# Altium PCB 底板20160428.PcbDoc (part 1 of 2)
Units mm, origin at the board's own origin, x right, y up, seen from the top; angles counter-clockwise.
Board outline 123.5 x 102.51 mm, 2 copper layers (Top Layer, Bottom Layer); 238 components, 211 nets, 736 pads, 282 vias.
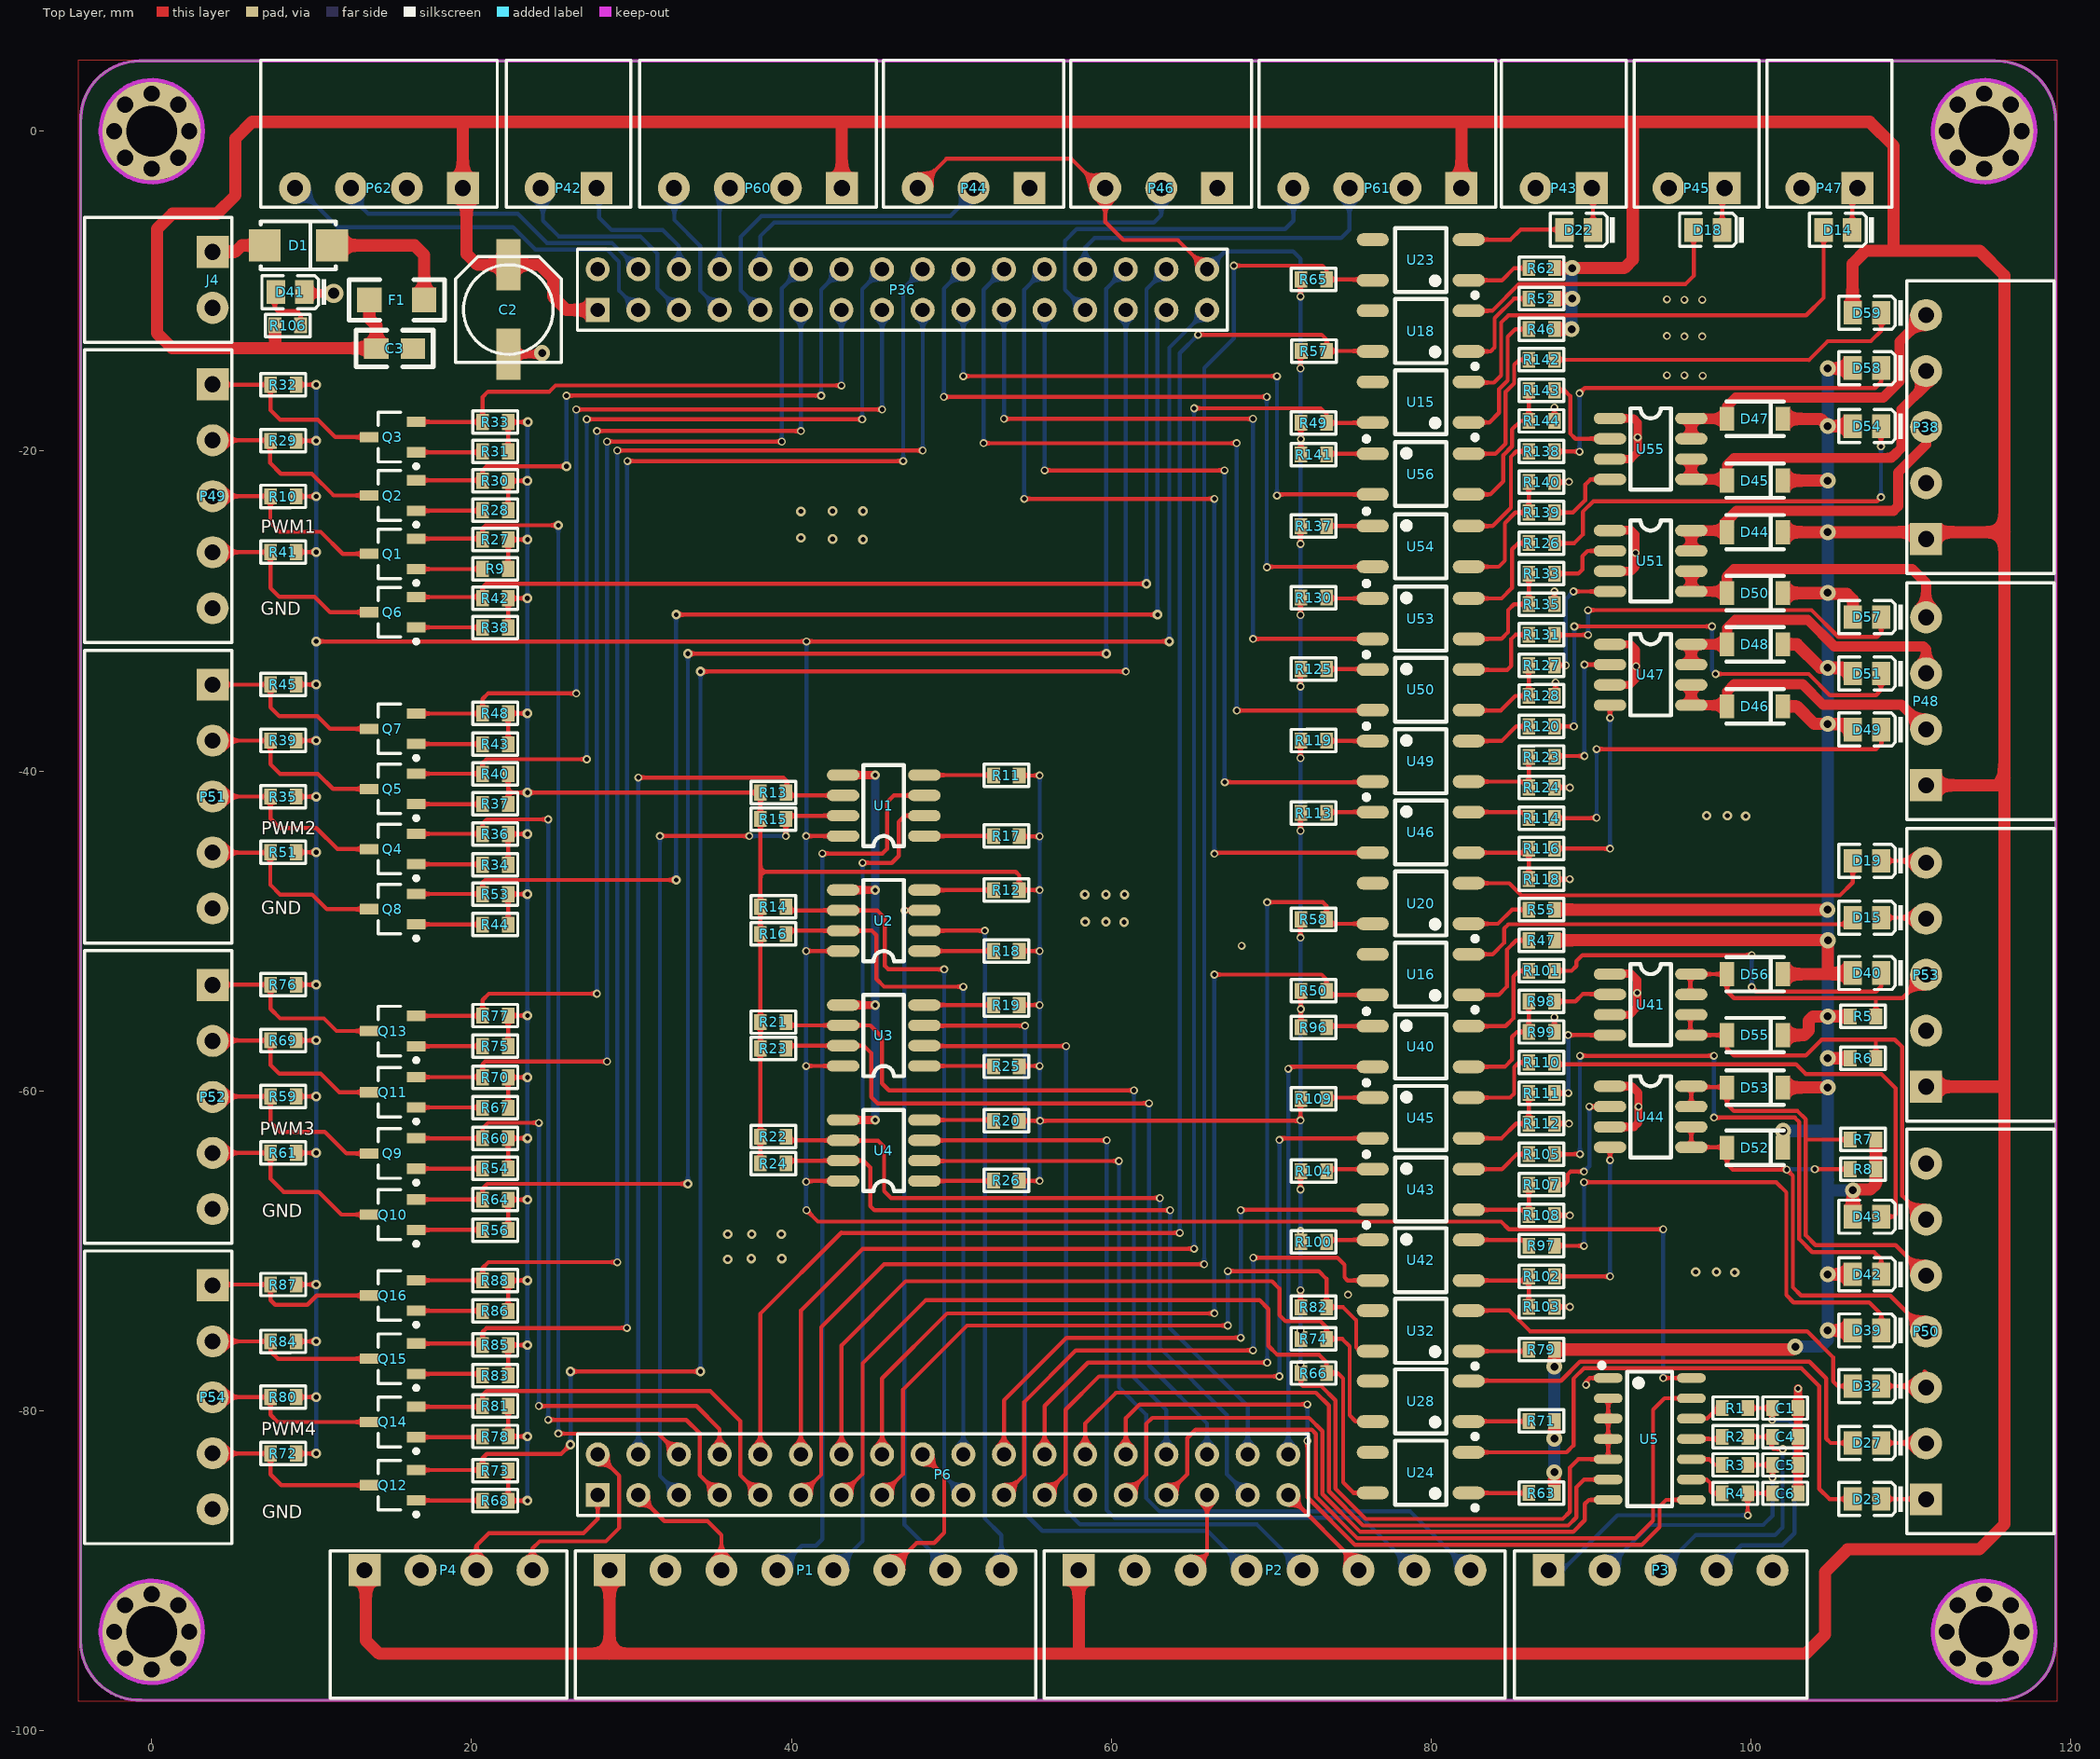
[diagram p0: Top Layer view]
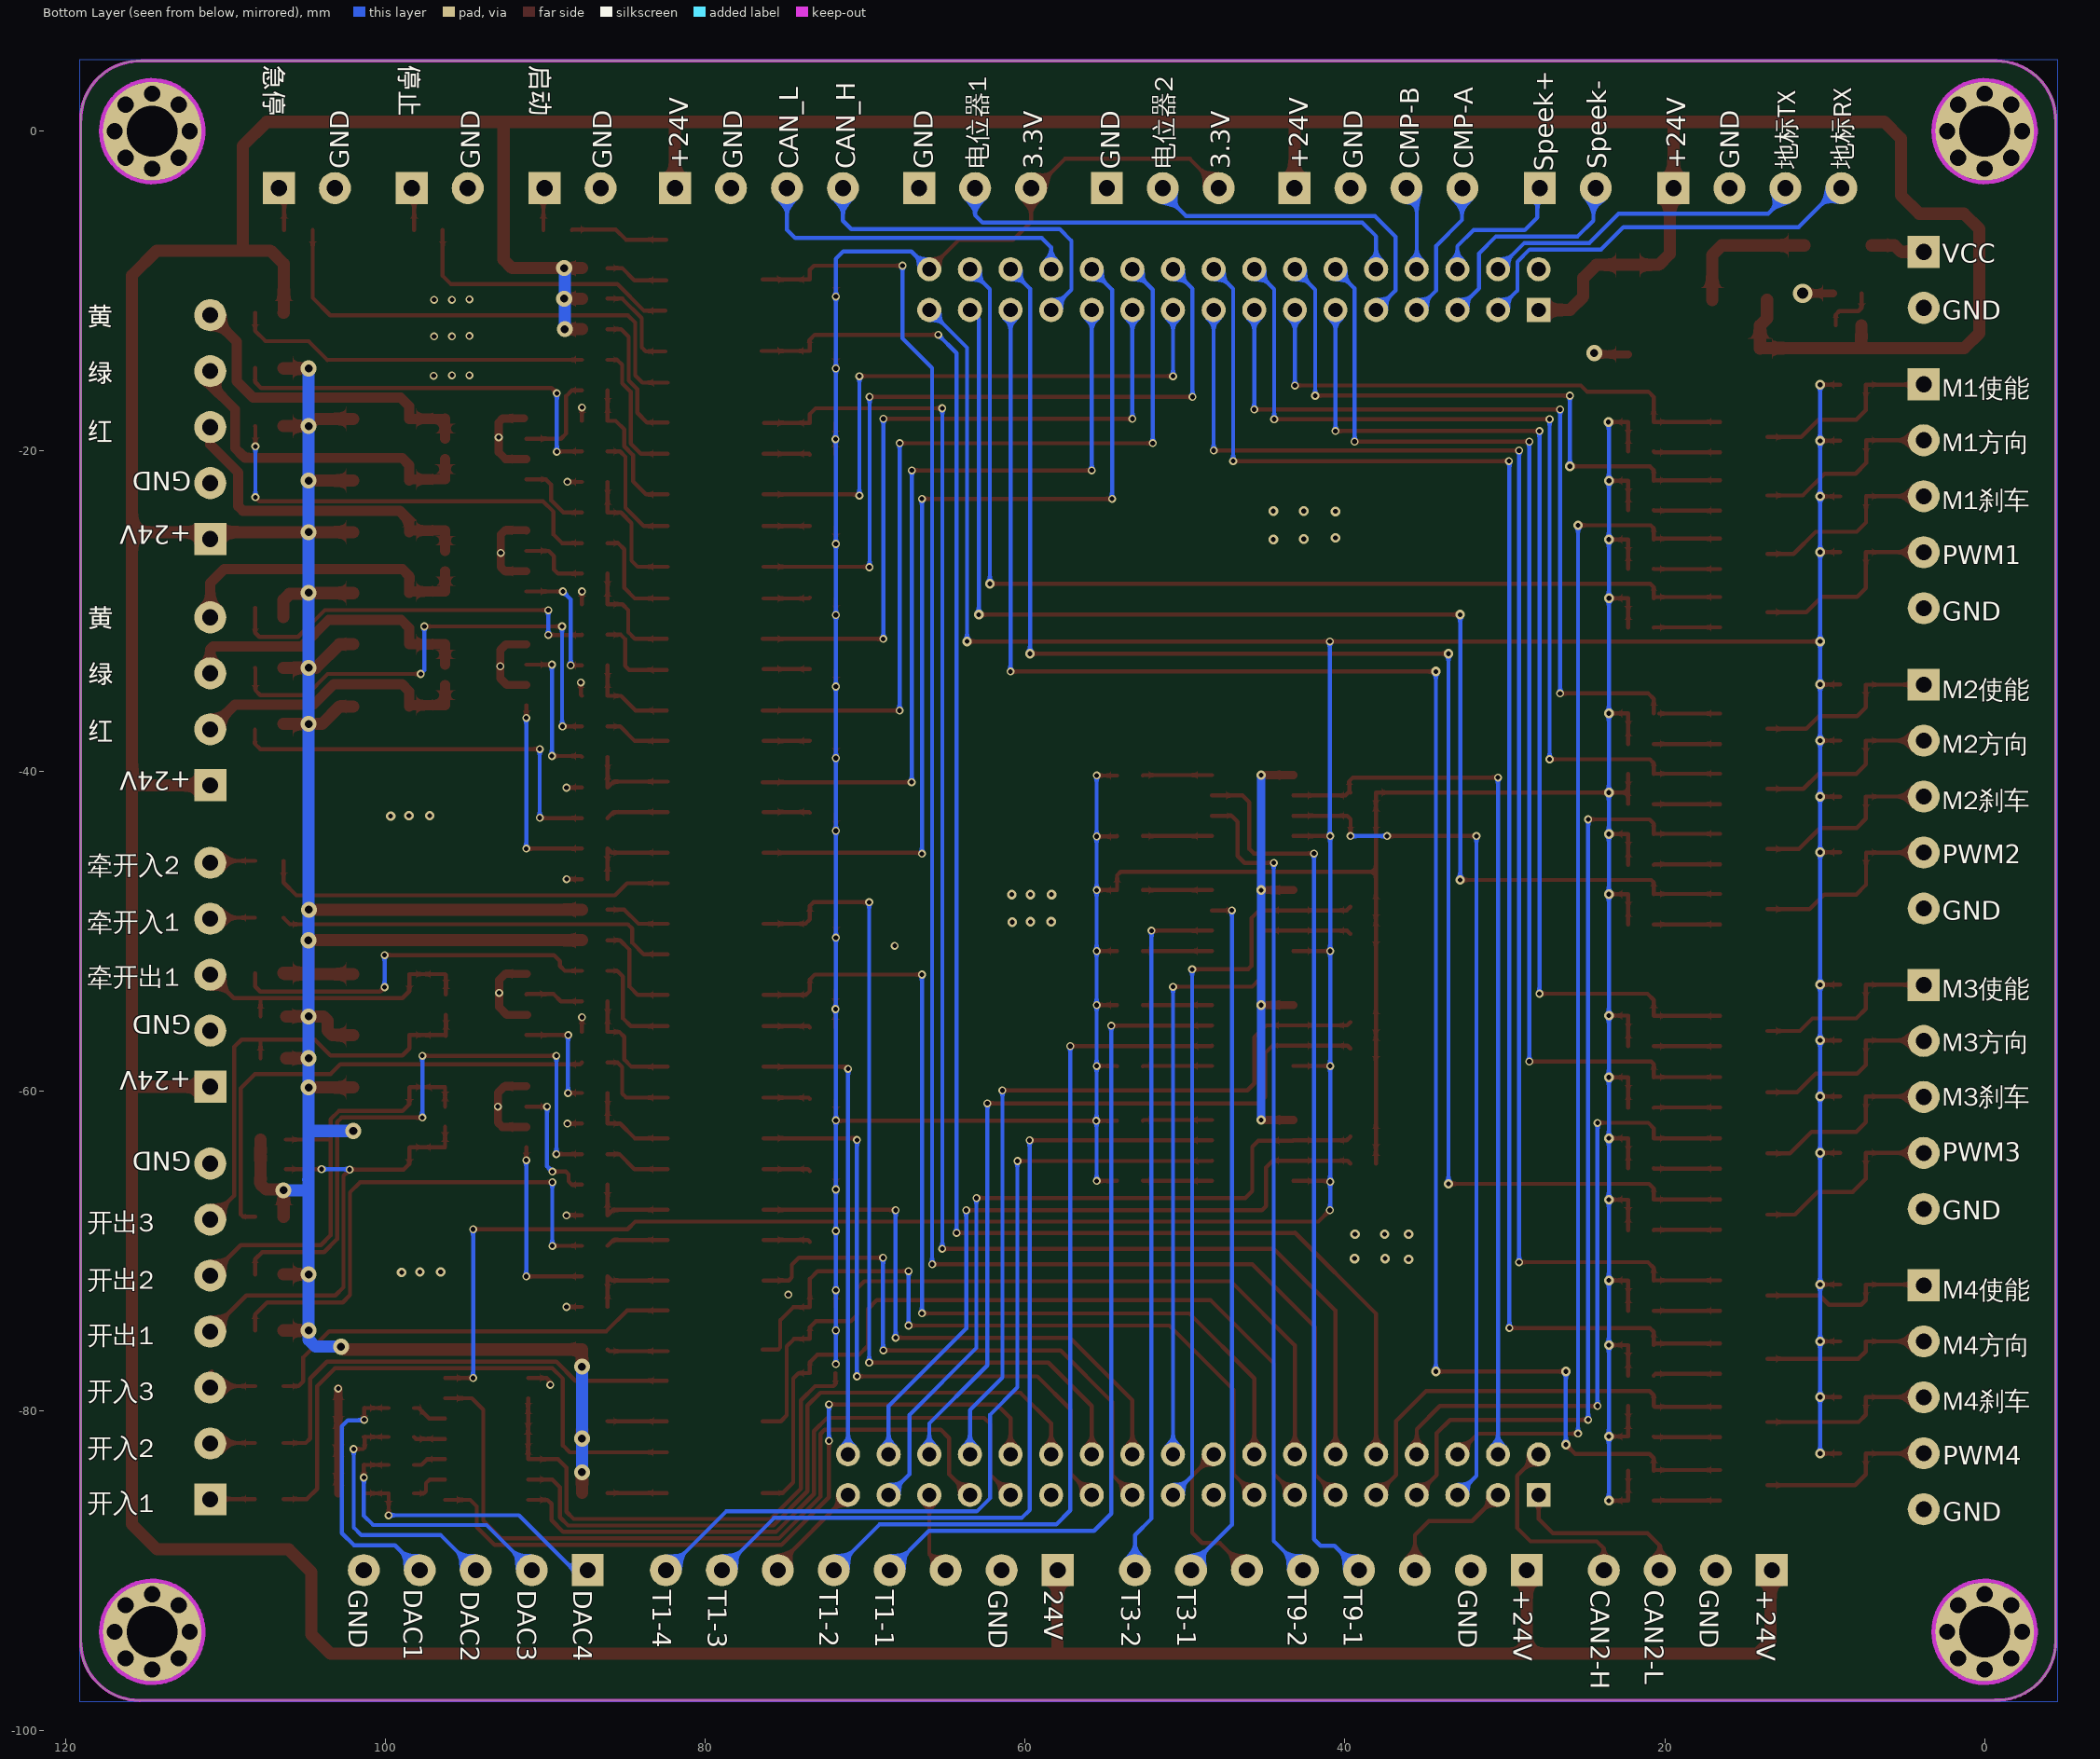
[diagram p1: Bottom Layer view, seen from below]
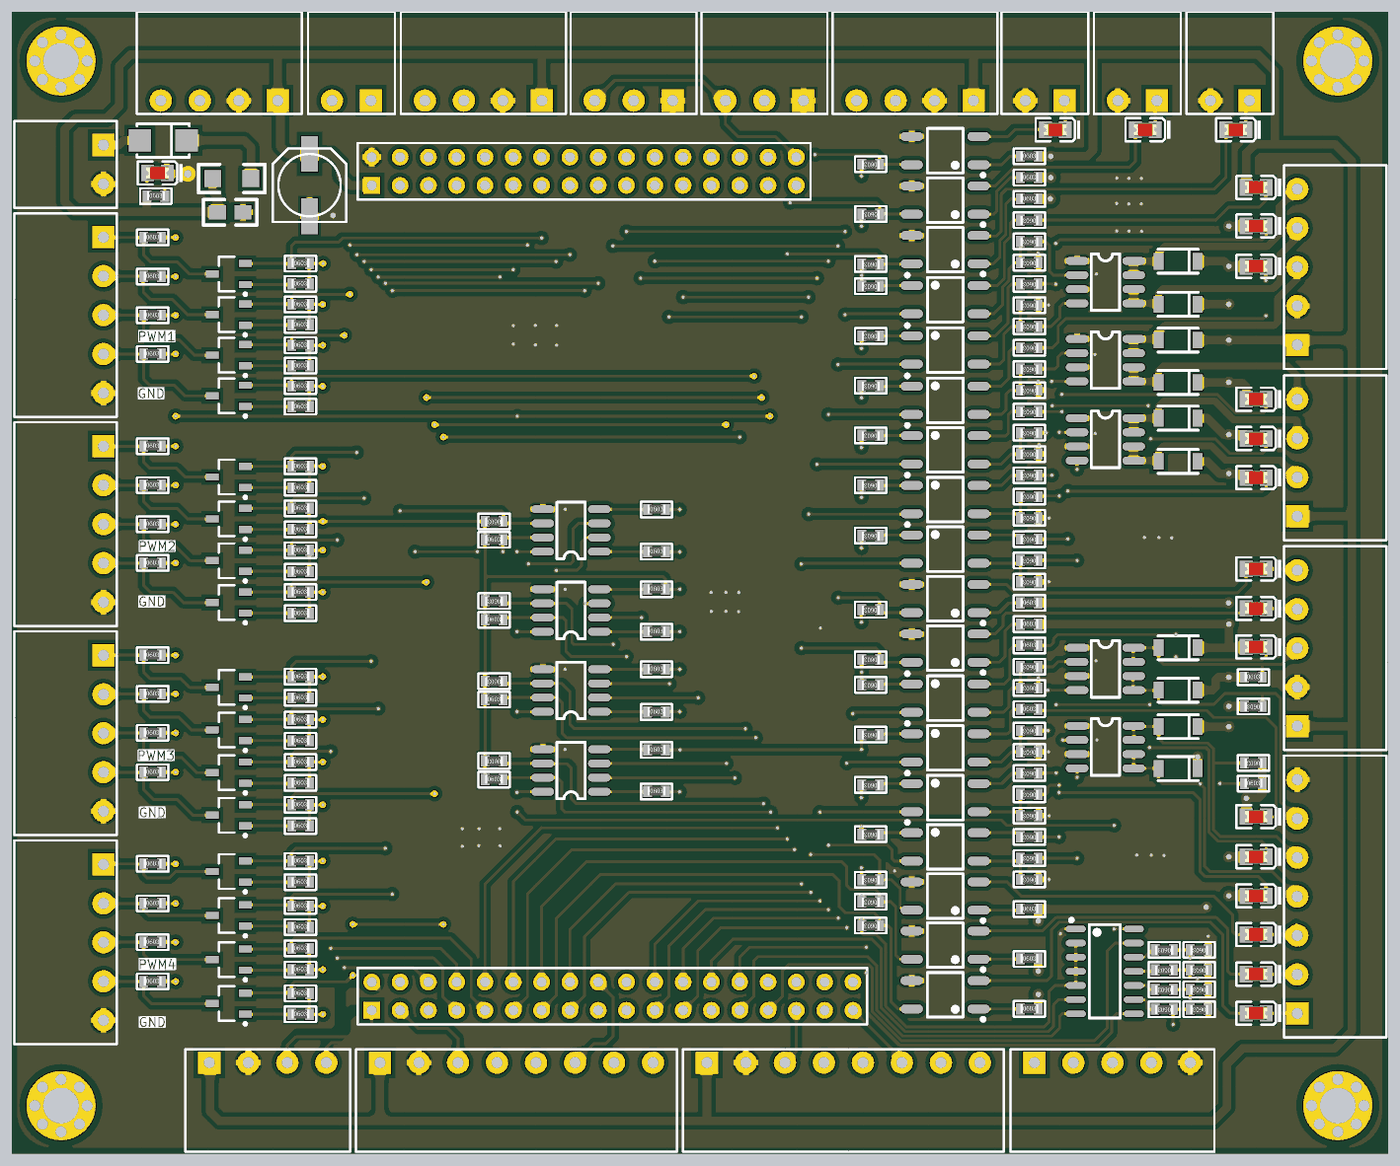
[diagram p3: 3D render of the assembled board from above, using the file's embedded part models]

## Layer stack, top to bottom
Top Layer: signal copper 0.0356
Dielectric: dielectric 0.32, FR-4, Dk 4.8
Bottom Layer: signal copper 0.0356

## Board outline
-4.445,-94.414 -4.445,0.584 cw(c-0.766,0.705) -0.766,4.386 -0.766,4.394 115.248,4.394 115.248,4.39 cw(c115.369,0.711) 119.05,0.711 119.055,0.711 119.055,-94.31 cw(c115.376,-94.431) 115.376,-98.112 115.376,-98.106 -0.643,-98.095 -0.643,-98.093 cw(c-0.764,-94.414)

## Design rules (kind name [scope] priority, off if disabled: settings)
Clearance inpolygon [InPolygon] p1: gap=0.4
Clearance [All] p2: gap=0.152
HoleSize [All] p1: absolutevalues=TRUE maxlimit=12.7 minlimit=0.025 maxpercent=80.000 minpercent=20.000
HoleToHoleClearance [All] p1: gap=0.152 allowstackedmicrovias=TRUE
MinimumSolderMaskSliver [All] p1: minsoldermaskwidth=0.051
PolygonConnect PolygonConnect_1 [IsVia] p1: connectstyle=Direct reliefconductorwidth=0.254 reliefentries=4 polygonreliefangle="90 Angle"
PolygonConnect [IsPad] p2: connectstyle=Relief reliefconductorwidth=0.508 reliefentries=4 polygonreliefangle="90 Angle"
RoutingVias [All] p1: holewidth=0.711 width=1.27 viastyle="Through Hole" minholewidth=0.711 minwidth=1.27 maxholewidth=0.711 maxwidth=1.27
SilkToSilkClearance [All] p1: silktosilkclearance=-1
SilkscreenOverComponentPads [IsPad] p1: minsilkscreentomaskgap=-1
SolderMaskExpansion [All] p1: expansion=0.102
Width [All] p1: maxlimit=2.54 minlimit=0.152 preferedwidth=0.254 minimp=50.000000 maximp=50.000000 favimp=50.000000
23 further rules are at their usual default settings.

## Components (designator, comment, footprint, x,y, rotation, side; value= is the part's Value field where it differs from the comment)
C1 "0.1uF" 0603 102.146,-79.832 r180 top
C2 "220uF" CC6.56.5 22.301,-11.151 r270 top
C3 "0.1uF" 0805 14.046,-13.589 r0 top
C4 "0.1uF" 0603 102.146,-81.636 r180 top
C5 "0.1uF" 0603 102.146,-83.388 r180 top
C6 "0.1uF" 0603 102.146,-85.166 r180 top
D1 "SS54" SMA(DO-214AC)_S1 9.169,-7.137 r180 top
D14 "红灯 0805" LC-0805_LED_S1 104.546,-6.172 r180 top
D15 "红灯 0805" LC-0805_LED_S1 106.365,-49.174 r180 top
D18 "红灯 0805" LC-0805_LED_S1 96.418,-6.172 r180 top
D19 "红灯 0805" LC-0805_LED_S1 106.365,-45.618 r180 top
D22 "红灯 0805" LC-0805_LED_S1 88.341,-6.172 r180 top
D23 "红灯 0805" LC-0805_LED_S1 106.365,-85.522 r180 top
D27 "红灯 0805" LC-0805_LED_S1 106.365,-82.017 r180 top
D32 "红灯 0805" LC-0805_LED_S1 106.365,-78.461 r180 top
D39 "红灯 0805" LC-0805_LED_S1 106.365,-74.981 r180 top
D40 "红灯 0805" LC-0805_LED_S1 106.365,-52.629 r180 top
D41 "蓝灯 0805" 0805_LED_S1 8.661,-10.058 r180 top
D42 "红灯 0805" LC-0805_LED_S1 106.365,-71.476 r180 top
D43 "红灯 0805" LC-0805_LED_S1 106.365,-67.869 r180 top
D44 "LL4148 LL-34 1206" LC-LL-34 102.001,-25.07 r180 top
D45 "LL4148 LL-34 1206" LC-LL-34 102.001,-21.844 r180 top
D46 "LL4148 LL-34 1206" LC-LL-34 102.001,-35.966 r180 top
D47 "LL4148 LL-34 1206" LC-LL-34 102.001,-17.983 r180 top
D48 "LL4148 LL-34 1206" LC-LL-34 102.001,-32.08 r180 top
D49 "红灯 0805" LC-0805_LED_S1 106.365,-37.414 r180 top
D50 "LL4148 LL-34 1206" LC-LL-34 102.001,-28.88 r180 top
D51 "红灯 0805" LC-0805_LED_S1 106.365,-33.909 r180 top
D52 "LL4148 LL-34 1206" LC-LL-34 102.001,-63.551 r180 top
D53 "LL4148 LL-34 1206" LC-LL-34 102.001,-59.792 r180 top
D54 "红灯 0805" LC-0805_LED_S1 106.365,-18.44 r180 top
D55 "LL4148 LL-34 1206" LC-LL-34 102.001,-56.515 r180 top
D56 "LL4148 LL-34 1206" LC-LL-34 102.001,-52.705 r180 top
D57 "红灯 0805" LC-0805_LED_S1 106.365,-30.378 r180 top
D58 "红灯 0805" LC-0805_LED_S1 106.365,-14.808 r180 top
D59 "红灯 0805" LC-0805_LED_S1 106.365,-11.354 r180 top
F1 "Fuse 1" 1206 17.043,-10.566 r180 top
J4 "CON2" DZ-2-3.5 3.81,-7.544 r270 top
P1 "编码器" DZ-8-3.5 28.626,-89.967 r0 top
P2 "编码器" DZ-8-3.5 57.963,-89.967 r0 top
P3 "DAC" DZ-5-3.5 87.351,-89.967 r0 top
P4 "CAN" DZ-4-3.5 13.31,-89.967 r0 top
P6 "Header 18X2" HDR2X18 27.889,-85.268 r0 top locked
P36 "Header 16X2" HDR2X16 27.889,-11.176 r0 top locked
P38 "三色灯" DZ-5-3.5 110.947,-25.502 r90 top
P42 "语音板通信" DZ-2-3.5 27.813,-3.556 r180 top
P43 "启动" DZ-2-3.5 90.043,-3.556 r180 top
P44 "电位器1" DZ-3-3.5 54.889,-3.556 r180 top
P45 "停止" DZ-2-3.5 98.349,-3.556 r180 top
P46 "电位器2" DZ-3-3.5 66.624,-3.556 r180 top
P47 "急停" DZ-2-3.5 106.655,-3.556 r180 top
P48 "三色灯" DZ-4-3.5 110.947,-40.894 r90 top
P49 "电机1" DZ-5-3.5 3.81,-15.823 r270 top
P50 "通讯IO" DZ-7-3.5 110.947,-85.547 r90 top
P51 "电机2" DZ-5-3.5 3.81,-34.603 r270 top
P52 "电机3" DZ-5-3.5 3.81,-53.382 r270 top
P53 "牵引杆" DZ-5-3.5 110.947,-59.741 r90 top
P54 "电机4" DZ-5-3.5 3.81,-72.161 r270 top
P60 "触摸屏RS485" DZ-4-3.5 43.155,-3.556 r180 top
P61 "CAN" DZ-4-3.5 81.89,-3.556 r180 top
P62 "RFID_RS232" DZ-4-3.5 19.456,-3.556 r180 top
Q1 "AO3400A N道沟 X0YV1T SOT-23" SOT-23-3L 15.062,-26.424 r0 top
Q2 "AO3400A N道沟 X0YV1T SOT-23" SOT-23-3L 15.062,-22.775 r0 top
Q3 "AO3400A N道沟 X0YV1T SOT-23" SOT-23-3L 15.062,-19.126 r0 top
Q4 "AO3400A N道沟 X0YV1T SOT-23" SOT-23-3L 15.062,-44.882 r0 top
Q5 "AO3400A N道沟 X0YV1T SOT-23" SOT-23-3L 15.062,-41.123 r0 top
Q6 "AO3400A N道沟 X0YV1T SOT-23" SOT-23-3L 15.062,-30.074 r0 top
Q7 "AO3400A N道沟 X0YV1T SOT-23" SOT-23-3L 15.062,-37.363 r0 top
Q8 "AO3400A N道沟 X0YV1T SOT-23" SOT-23-3L 15.062,-48.641 r0 top
Q9 "AO3400A N道沟 X0YV1T SOT-23" SOT-23-3L 15.062,-63.915 r0 top
Q10 "AO3400A N道沟 X0YV1T SOT-23" SOT-23-3L 15.062,-67.742 r0 top
Q11 "AO3400A N道沟 X0YV1T SOT-23" SOT-23-3L 15.062,-60.088 r0 top
Q12 "AO3400A N道沟 X0YV1T SOT-23" SOT-23-3L 15.062,-84.658 r0 top
Q13 "AO3400A N道沟 X0YV1T SOT-23" SOT-23-3L 15.062,-56.261 r0 top
Q14 "AO3400A N道沟 X0YV1T SOT-23" SOT-23-3L 15.062,-80.704 r0 top
Q15 "AO3400A N道沟 X0YV1T SOT-23" SOT-23-3L 15.062,-76.75 r0 top
Q16 "AO3400A N道沟 X0YV1T SOT-23" SOT-23-3L 15.062,-72.796 r0 top
R1 "1K" 0603 99.009,-79.832 r180 top
R2 "1K" 0603 99.009,-81.636 r180 top
R3 "1K" 0603 99.009,-83.388 r180 top
R4 "1K" 0603 99.009,-85.166 r180 top
R5 "4.7K" 0603 107.01,-55.347 r0 top
R6 "4.7K" 0603 107.01,-57.963 r180 top
R7 "4.7K" 0603 107.01,-63.043 r180 top
R8 "4.7K" 0603 107.01,-64.897 r0 top
R9 "330R" 0603 21.489,-27.367 r0 top
R10 "1K" 0603 8.23,-22.835 r0 top
R11 "330R" 0603 53.442,-40.284 r0 top
R12 "330R" 0603 53.442,-47.447 r0 top
R13 "330R" 0603 38.862,-41.351 r180 top
R14 "330R" 0603 38.862,-48.489 r180 top
R15 "330R" 0603 38.862,-43.002 r0 top
R16 "330R" 0603 38.862,-50.19 r0 top
R17 "330R" 0603 53.442,-44.069 r0 top
R18 "330R" 0603 53.442,-51.257 r0 top
R19 "330R" 0603 53.442,-54.635 r0 top
R20 "330R" 0603 53.442,-61.874 r0 top
R21 "330R" 0603 38.862,-55.702 r180 top
R22 "330R" 0603 38.862,-62.865 r180 top
R23 "330R" 0603 38.862,-57.353 r0 top
R24 "330R" 0603 38.862,-64.541 r0 top
R25 "330R" 0603 53.442,-58.471 r0 top
R26 "330R" 0603 53.442,-65.608 r0 top
R27 "330R" 0603 21.489,-25.531 r0 top
R28 "330R" 0603 21.489,-23.695 r0 top
R29 "1K" 0603 8.23,-19.355 r0 top
R30 "330R" 0603 21.489,-21.859 r0 top
R31 "330R" 0603 21.489,-20.022 r0 top
R32 "1K" 0603 8.23,-15.85 r0 top
R33 "330R" 0603 21.489,-18.186 r0 top
R34 "330R" 0603 21.489,-45.872 r0 top
R35 "1K" 0603 8.23,-41.605 r0 top
R36 "330R" 0603 21.489,-43.942 r0 top
R37 "330R" 0603 21.489,-42.062 r0 top
R38 "330R" 0603 21.489,-31.039 r0 top
R39 "1K" 0603 8.23,-38.1 r0 top
R40 "330R" 0603 21.489,-40.183 r0 top
R41 "1K" 0603 8.23,-26.314 r0 top
R42 "330R" 0603 21.489,-29.203 r0 top
R43 "330R" 0603 21.489,-38.329 r0 top
R44 "330R" 0603 21.489,-49.606 r0 top
R45 "1K" 0603 8.23,-34.595 r0 top
R46 "4.7K" 0603 86.906,-12.38 r0 top
R47 "4.7K" 0603 86.906,-50.585 r0 top
R48 "330R" 0603 21.489,-36.398 r0 top
R49 "1K" 0603 72.657,-18.237 r180 top
R50 "1K" 0603 72.657,-53.746 r180 top
R51 "1K" 0603 8.23,-45.085 r0 top
R52 "4.7K" 0603 86.906,-10.47 r0 top
R53 "330R" 0603 21.489,-47.701 r0 top
R54 "330R" 0603 21.489,-64.846 r0 top
R55 "4.7K" 0603 86.906,-48.675 r0 top
R56 "330R" 0603 21.489,-68.707 r0 top
R57 "1K" 0603 72.669,-13.741 r180 top
R58 "1K" 0603 72.657,-49.276 r180 top
R59 "1K" 0603 8.23,-60.35 r0 top
R60 "330R" 0603 21.489,-62.967 r0 top
R61 "1K" 0603 8.23,-63.881 r0 top
R62 "4.7K" 0603 86.906,-8.56 r0 top
R63 "4.7K" 0603 86.906,-85.141 r0 top
R64 "330R" 0603 21.489,-66.802 r0 top
R65 "1K" 0603 72.657,-9.271 r180 top
R66 "1K" 0603 72.657,-77.648 r180 top
R67 "330R" 0603 21.489,-61.062 r0 top
R68 "330R" 0603 21.489,-85.623 r0 top
R69 "1K" 0603 8.23,-56.845 r0 top
R70 "330R" 0603 21.489,-59.157 r0 top
R71 "4.7K" 0603 86.906,-80.645 r0 top
R72 "1K" 0603 8.23,-82.677 r0 top
R73 "330R" 0603 21.489,-83.744 r0 top
R74 "1K" 0603 72.657,-75.514 r180 top
R75 "330R" 0603 21.489,-57.201 r0 top
R76 "1K" 0603 8.23,-53.365 r0 top
R77 "330R" 0603 21.489,-55.296 r0 top
R78 "330R" 0603 21.489,-81.61 r0 top
R79 "4.7K" 0603 86.906,-76.175 r0 top
R80 "1K" 0603 8.23,-79.146 r0 top
R81 "330R" 0603 21.489,-79.705 r0 top
R82 "1K" 0603 72.657,-73.533 r180 top
R83 "330R" 0603 21.489,-77.8 r0 top
R84 "1K" 0603 8.23,-75.667 r0 top
R85 "330R" 0603 21.489,-75.895 r0 top
R86 "330R" 0603 21.489,-73.762 r0 top
R87 "1K" 0603 8.23,-72.111 r0 top
R88 "330R" 0603 21.489,-71.857 r0 top
R96 "1K" 0603 72.657,-56.032 r180 top
R97 "4.7K" 0603 86.906,-69.687 r180 top
R98 "1K" 0603 86.906,-54.405 r180 top
R99 "4.7K" 0603 86.906,-56.316 r180 top
R100 "1K" 0603 72.657,-69.444 r180 top
R101 "4.7K" 0603 86.906,-52.495 r0 top
R102 "1K" 0603 86.906,-71.597 r180 top
R103 "4.7K" 0603 86.906,-73.508 r180 top
R104 "1K" 0603 72.657,-65.024 r180 top
R105 "4.7K" 0603 86.906,-63.956 r180 top
R106 "4.7K" 0603 8.509,-12.141 r0 top
R107 "1K" 0603 86.906,-65.867 r180 top
R108 "4.7K" 0603 86.906,-67.777 r180 top
R109 "1K" 0603 72.657,-60.503 r180 top
R110 "4.7K" 0603 86.906,-58.226 r0 top
R111 "1K" 0603 86.906,-60.136 r180 top
R112 "4.7K" 0603 86.906,-62.046 r180 top
R113 "1K" 0603 72.657,-42.621 r180 top
R114 "4.7K" 0603 86.906,-42.944 r180 top
R116 "1K" 0603 86.906,-44.854 r180 top
R118 "4.7K" 0603 86.906,-46.764 r180 top
R119 "1K" 0603 72.657,-38.1 r180 top
R120 "4.7K" 0603 86.906,-37.213 r180 top
R123 "1K" 0603 86.906,-39.124 r180 top
R124 "4.7K" 0603 86.906,-41.034 r180 top
R125 "1K" 0603 72.657,-33.63 r180 top
R126 "4.7K" 0603 86.906,-25.752 r180 top
R127 "1K" 0603 86.906,-33.393 r180 top
R128 "4.7K" 0603 86.906,-35.303 r180 top
R130 "1K" 0603 72.657,-29.159 r180 top
R131 "4.7K" 0603 86.906,-31.483 r180 top
R133 "1K" 0603 86.906,-27.662 r180 top
R135 "4.7K" 0603 86.906,-29.572 r180 top
R137 "1K" 0603 72.657,-24.689 r180 top
R138 "4.7K" 0603 86.906,-20.021 r180 top
R139 "1K" 0603 86.906,-23.842 r180 top
R140 "4.7K" 0603 86.906,-21.931 r180 top
R141 "1K" 0603 72.657,-20.218 r180 top
R142 "4.7K" 0603 86.906,-14.291 r180 top
R143 "1K" 0603 86.906,-16.201 r180 top
R144 "4.7K" 0603 86.906,-18.111 r180 top
U1 "HCPL0630" SO-8 48.311,-44.069 r180 top
U2 "HCPL0630" SO-8 48.311,-51.257 r180 top
U3 "HCPL0630" SO-8 48.311,-58.445 r180 top
U4 "HCPL0630" SO-8 48.311,-65.634 r180 top
U5 "TLC5620" LC-SOIC-14_150mil 93.67,-81.763 r270 top
U15 "EL357N(B)(TA)-G" LC-SOP-4_P2.54 82.347,-18.212 r180 top